# Altium PCB MB1166.PcbDoc (part 12 of 39) (continued)
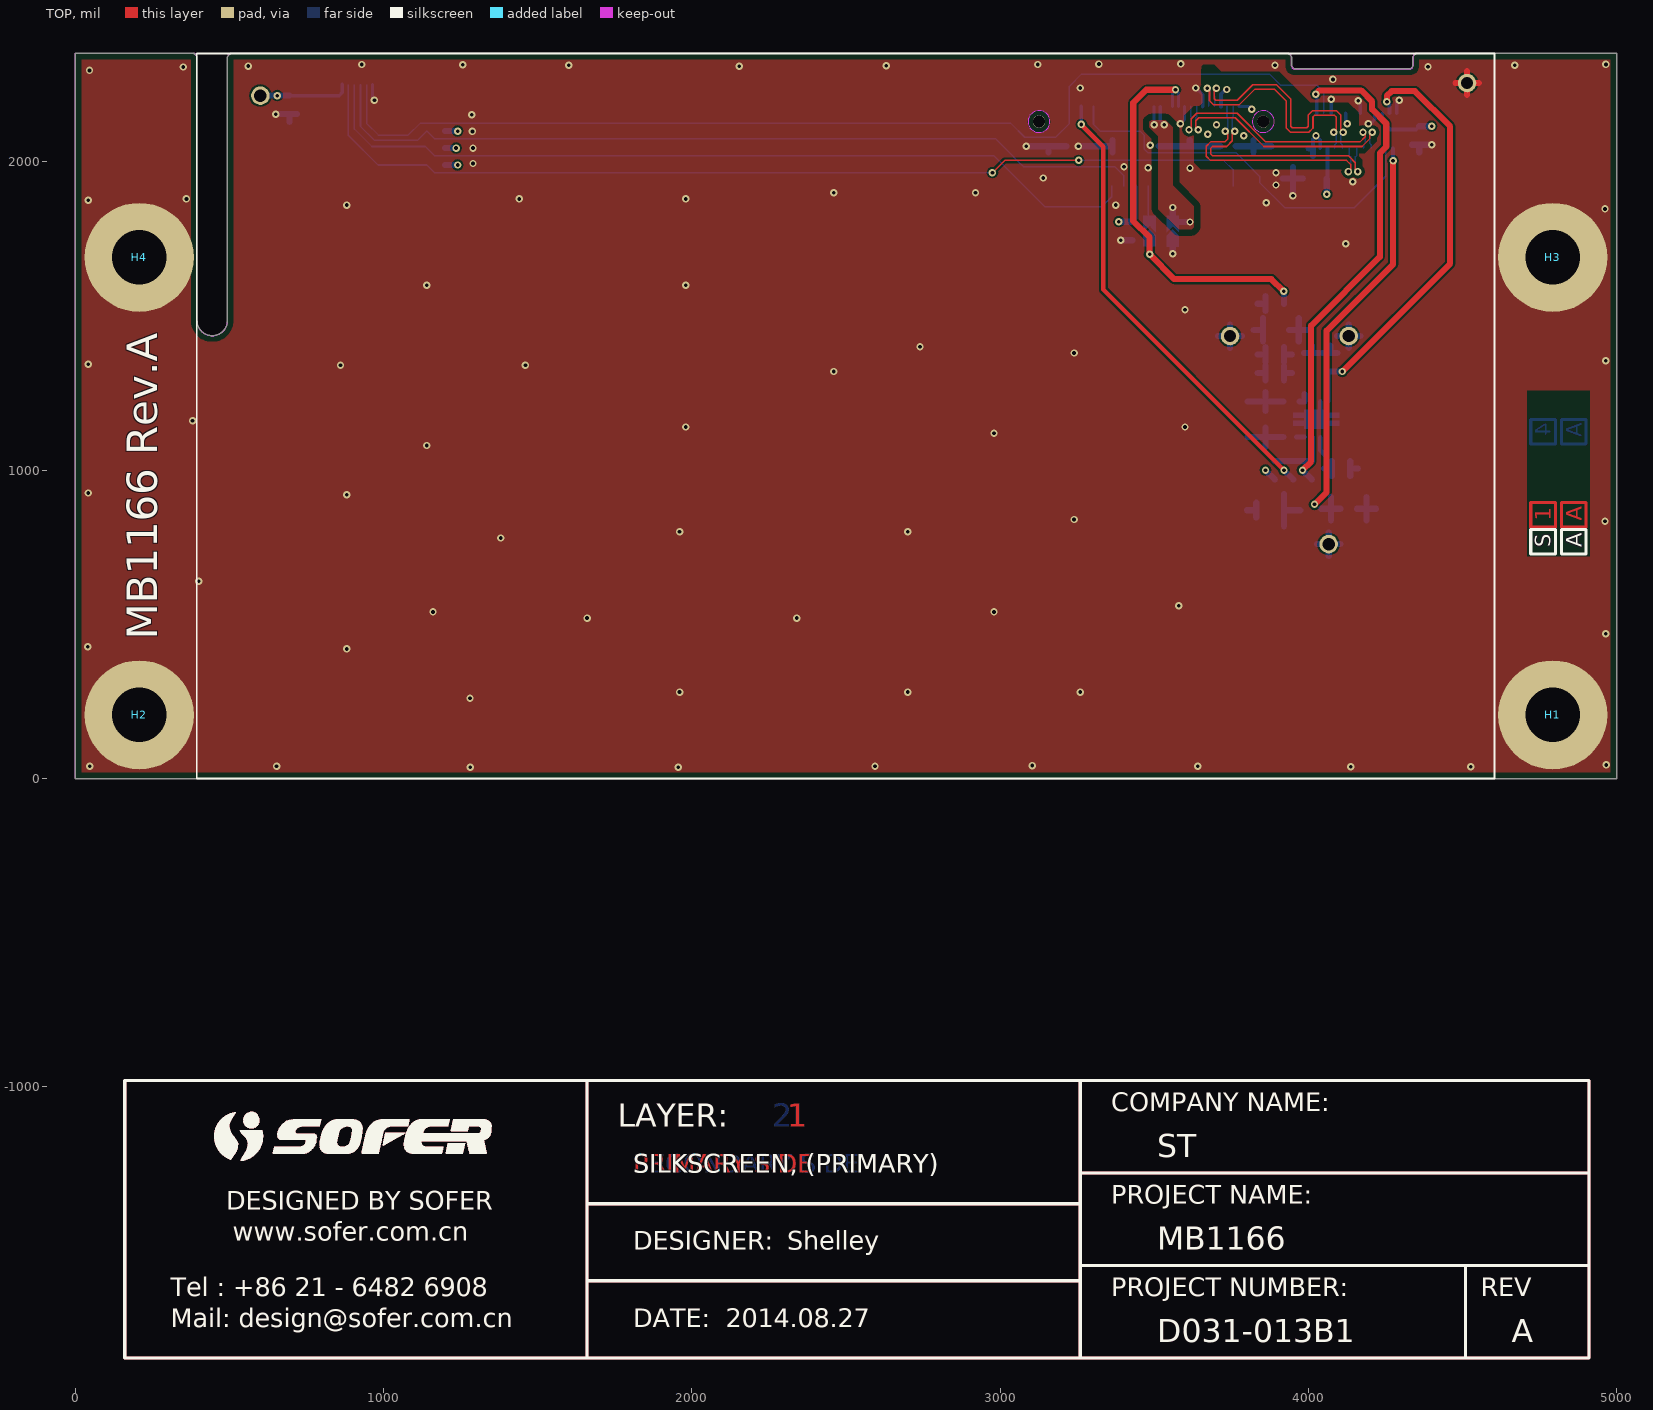
[diagram p0: TOP view]
## Nets (pads, with @x,y where several pads share a name; then routed paths per layer and width w, separated by ;. In a path a pad name is that pad's centre, name@x,y a point inside that pad or via, vN(x,y) a via of type N, cw(c..) or ccw(c..) an arc to the next point about the centre after c; other vN are vias at no path point) (continued)
 1316.45,-1146.41 ; 1316.39,-1132.62 1316.45,-1132.7 ; 1316.39,-1132.62 1316.45,-1132.7 ; 1316.45,-1146.41 1316.48,-1146.31 ; 1316.45,-1146.41 1316.48,-1146.31 ; 1316.45,-1132.7 1316.55,-1132.88 ; 1316.45,-1132.7 1316.55,-1132.88 ; 1316.48,-1146.31 1316.5,-1146.22 ; 1316.48,-1146.31 1316.5,-1146.22 ; 1316.5,-1146.22 1316.56,-1146.02 ; 1316.5,-1146.22 1316.56,-1146.02 ; 1316.56,-1146.02 1316.59,-1145.93 ; 1316.56,-1146.02 1316.59,-1145.93 ; 1316.55,-1132.88 1316.6,-1132.96 ; 1316.55,-1132.88 1316.6,-1132.96 ; 1316.59,-1145.93 1316.62,-1145.83 ; 1316.59,-1145.93 1316.62,-1145.83 ; 1316.62,-1145.83 1316.64,-1145.74 ; 1316.62,-1145.83 1316.64,-1145.74 ; 1316.6,-1132.96 1316.75,-1133.23 ; 1316.6,-1132.96 1316.75,-1133.23 ; 1316.64,-1145.74 1316.67,-1145.64 ; 1316.64,-1145.74 1316.67,-1145.64 ; 1316.67,-1145.64 1316.69,-1145.54 ; 1316.67,-1145.64 1316.69,-1145.54 ; 1316.69,-1145.54 1316.72,-1145.45 ; 1316.69,-1145.54 1316.72,-1145.45 ; 1316.72,-1145.45 1316.74,-1145.35 ; 1316.72,-1145.45 1316.74,-1145.35 ; 1316.74,-1145.35 1316.77,-1145.25 ; 1316.74,-1145.35 1316.77,-1145.25 ; 1316.77,-1145.25 1316.79,-1145.15 ; 1316.77,-1145.25 1316.79,-1145.15 ; 1316.75,-1133.23 1316.79,-1133.31 ; 1316.75,-1133.23 1316.79,-1133.31 ; 1316.79,-1145.15 1316.82,-1145.06 ; 1316.79,-1145.15 1316.82,-1145.06 ; 1316.82,-1145.06 1316.86,-1144.86 ; 1316.82,-1145.06 1316.86,-1144.86 ; 1316.79,-1133.31 1316.84,-1133.4 ; 1316.79,-1133.31 1316.84,-1133.4 ; 1316.86,-1144.86 1316.88,-1144.77 ; 1316.86,-1144.86 1316.88,-1144.77 ; 1316.84,-1133.4 1316.92,-1133.58 ; 1316.84,-1133.4 1316.92,-1133.58 ; 1316.88,-1144.77 1316.91,-1144.67 ; 1316.88,-1144.77 1316.91,-1144.67 ; 1316.91,-1144.67 1316.95,-1144.47 ; 1316.91,-1144.67 1316.95,-1144.47 ; 1316.92,-1133.58 1316.97,-1133.67 ; 1316.92,-1133.58 1316.97,-1133.67 ; 1316.95,-1144.47 1316.97,-1144.38 ; 1316.95,-1144.47 1316.97,-1144.38 ; 1316.97,-1144.38 1317.05,-1143.98 ; 1316.97,-1144.38 1317.05,-1143.98 ; 1316.95,-1133.64 1339.15,-1111.45 ; 1316.97,-1133.67 1317.01,-1133.77 ; 1316.95,-1133.64 1339.15,-1111.45 ; 1316.97,-1133.67 1317.01,-1133.77 ; 1317.01,-1133.77 1317.13,-1134.04 ; 1317.01,-1133.77 1317.13,-1134.04 ; 1317.05,-1143.98 1317.07,-1143.89 ; 1317.05,-1143.98 1317.07,-1143.89 ; 1317.07,-1143.89 1317.17,-1143.39 ; 1317.07,-1143.89 1317.17,-1143.39 ; 1317.17,-1143.39 1317.19,-1143.3 ; 1317.17,-1143.39 1317.19,-1143.3 ; 1317.16,-1134.13 1317.13,-1134.04 ; 1317.16,-1134.13 1317.2,-1134.23 ; 1317.16,-1134.13 1317.13,-1134.04 ; 1317.16,-1134.13 1317.2,-1134.23 ; 1317.19,-1143.3 1317.2,-1143.2 ; 1317.19,-1143.3 1317.2,-1143.2 ; 1317.2,-1143.2 1317.26,-1142.9 ; 1317.2,-1143.2 1317.26,-1142.9 ; 1317.2,-1134.23 1317.23,-1134.32 ; 1317.2,-1134.23 1317.23,-1134.32 ; 1317.26,-1142.9 1317.27,-1142.8 ; 1317.26,-1142.9 1317.27,-1142.8 ; 1317.27,-1142.8 1317.29,-1142.71 ; 1317.27,-1142.8 1317.29,-1142.71 ; 1317.27,-1134.42 1317.23,-1134.32 ; 1317.27,-1134.42 1317.33,-1134.6 ; 1317.27,-1134.42 1317.23,-1134.32 ; 1317.27,-1134.42 1317.33,-1134.6 ; 1317.29,-1142.71 1317.31,-1142.61 ; 1317.29,-1142.71 1317.31,-1142.61 ; 1317.31,-1142.61 1317.32,-1142.51 ; 1317.31,-1142.61 1317.32,-1142.51 ; 1317.32,-1142.51 1317.36,-1142.31 ; 1317.32,-1142.51 1317.36,-1142.31 ; 1317.36,-1142.31 1317.37,-1142.21 ; 1317.36,-1142.31 1317.37,-1142.21 ; 1317.37,-1142.21 1317.39,-1142.11 ; 1317.37,-1142.21 1317.39,-1142.11 ; 1317.36,-1134.7 1317.33,-1134.6 ; 1317.36,-1134.7 1317.39,-1134.79 ; 1317.36,-1134.7 1317.33,-1134.6 ; 1317.36,-1134.7 1317.39,-1134.79 ; 1317.39,-1142.11 1317.41,-1142.02 ; 1317.39,-1142.11 1317.41,-1142.02 ; 1317.41,-1142.02 1317.42,-1141.92 ; 1317.41,-1142.02 1317.42,-1141.92 ; 1317.42,-1141.92 1317.46,-1141.72 ; 1317.42,-1141.92 1317.46,-1141.72 ; 1317.39,-1134.79 1317.45,-1134.99 ; 1317.39,-1134.79 1317.45,-1134.99 ; 1317.46,-1141.72 1317.47,-1141.62 ; 1317.46,-1141.72 1317.47,-1141.62 ; 1317.47,-1141.62 1317.49,-1141.52 ; 1317.47,-1141.62 1317.49,-1141.52 ; 1317.45,-1134.99 1317.48,-1135.08 ; 1317.45,-1134.99 1317.48,-1135.08 ; 1317.49,-1141.52 1317.5,-1141.42 ; 1317.49,-1141.52 1317.5,-1141.42 ; 1317.5,-1141.42 1317.52,-1141.32 ; 1317.5,-1141.42 1317.52,-1141.32 ; 1317.52,-1141.32 1317.54,-1141.23 ; 1317.52,-1141.32 1317.54,-1141.23 ; 1317.51,-1135.18 1317.48,-1135.08 ; 1317.51,-1135.18 1317.53,-1135.28 ; 1317.51,-1135.18 1317.48,-1135.08 ; 1317.51,-1135.18 1317.53,-1135.28 ; 1317.54,-1141.23 1317.55,-1141.13 ; 1317.54,-1141.23 1317.55,-1141.13 ; 1317.55,-1141.13 1317.57,-1141.03 ; 1317.55,-1141.13 1317.57,-1141.03 ; 1317.57,-1141.03 1317.58,-1140.93 ; 1317.57,-1141.03 1317.58,-1140.93 ; 1317.56,-1135.37 1317.53,-1135.28 ; 1317.56,-1135.37 1317.6,-1135.57 ; 1317.56,-1135.37 1317.53,-1135.28 ; 1317.56,-1135.37 1317.6,-1135.57 ; 1317.54,-1135.3 1340.48,-1112.36 1317.54,-1135.3 ; 1317.58,-1140.93 1317.62,-1140.73 ; 1317.58,-1140.93 1317.62,-1140.73 ; 1317.62,-1140.73 1317.63,-1140.63 ; 1317.62,-1140.73 1317.63,-1140.63 ; 1317.62,-1135.66 1317.6,-1135.57 ; 1317.62,-1135.66 1317.72,-1136.16 ; 1317.62,-1135.66 1317.6,-1135.57 ; 1317.62,-1135.66 1317.72,-1136.16 ; 1317.63,-1140.63 1317.65,-1140.53 ; 1317.63,-1140.63 1317.65,-1140.53 ; 1317.65,-1140.53 1317.66,-1140.44 ; 1317.65,-1140.53 1317.66,-1140.44 ; 1317.66,-1140.44 1317.68,-1140.34 ; 1317.66,-1140.44 1317.68,-1140.34 ; 1317.68,-1140.34 1317.7,-1140.14 ; 1317.68,-1140.34 1317.7,-1140.14 ; 1317.7,-1140.14 1317.72,-1140.04 ; 1317.7,-1140.14 1317.72,-1140.04 ; 1317.72,-1140.04 1317.74,-1139.84 ; 1317.72,-1140.04 1317.74,-1139.84 ; 1317.72,-1136.16 1317.73,-1136.25 ; 1317.72,-1136.16 1317.73,-1136.25 ; 1317.74,-1139.84 1317.76,-1139.74 ; 1317.74,-1139.84 1317.76,-1139.74 ; 1317.76,-1139.74 1317.81,-1139.24 ; 1317.76,-1139.74 1317.81,-1139.24 ; 1317.76,-1136.45 1317.75,-1136.35 ; 1317.76,-1136.45 1317.78,-1136.55 ; 1317.76,-1136.45 1317.75,-1136.35 ; 1317.76,-1136.45 1317.78,-1136.55 ; 1317.75,-1136.35 1317.73,-1136.25 ; 1317.75,-1136.35 1317.73,-1136.25 ; 1317.81,-1139.24 1317.82,-1139.15 ; 1317.81,-1139.24 1317.82,-1139.15 ; 1317.82,-1139.15 1317.83,-1139.05 ; 1317.82,-1139.15 1317.83,-1139.05 ; 1317.78,-1136.55 1317.85,-1137.25 ; 1317.78,-1136.55 1317.85,-1137.25 ; 1317.83,-1139.05 1317.83,-1138.95 ; 1317.83,-1139.05 1317.83,-1138.95 ; 1317.83,-1138.95 1317.85,-1138.75 ; 1317.83,-1138.95 1317.85,-1138.75 ; 1317.85,-1138.75 1317.85,-1138.65 ; 1317.85,-1138.75 1317.85,-1138.65 ; 1317.85,-1138.65 1317.86,-1138.55 ; 1317.85,-1138.65 1317.86,-1138.55 ; 1317.86,-1138.55 1317.86,-1138.45 ; 1317.86,-1138.55 1317.86,-1138.45 ; 1317.86,-1138.45 1317.87,-1138.35 ; 1317.86,-1138.45 1317.87,-1138.35 ; 1317.87,-1138.35 1317.87,-1137.65 ; 1317.87,-1138.35 1317.87,-1137.65 ; 1317.87,-1137.65 1317.86,-1137.55 ; 1317.87,-1137.65 1317.86,-1137.55 ; 1317.86,-1137.55 1317.86,-1137.45 ; 1317.86,-1137.55 1317.86,-1137.45 ; 1317.86,-1137.45 1317.85,-1137.35 ; 1317.86,-1137.45 1317.85,-1137.35 ; 1317.85,-1137.35 1317.85,-1137.25 ; 1317.85,-1137.35 1317.85,-1137.25 ; 1317.85,-1137.24 1341.73,-1113.36 ; 1317.85,-1137.24 1341.73,-1113.36 ; 1323.71,-1170.49 1332.97,-1216.34 ; 1323.71,-1170.49 1324.12,-1170.49 ; 1323.71,-1170.49 1332.97,-1216.34 ; 1323.71,-1170.49 1324.12,-1170.49 ; 1324.12,-1170.49 1324.22,-1170.5 ; 1324.12,-1170.49 1324.22,-1170.5 ; 1324.22,-1170.5 1324.72,-1170.5 ; 1324.22,-1170.5 1324.72,-1170.5 ; 1324.72,-1170.5 1324.82,-1170.51 ; 1324.72,-1170.5 1324.82,-1170.51 ; 1324.82,-1170.51 1325.12,-1170.51 ; 1324.82,-1170.51 1325.12,-1170.51 ; 1325.12,-1170.51 1325.22,-1170.52 ; 1325.12,-1170.51 1325.22,-1170.52 ; 1325.22,-1170.52 1325.52,-1170.52 ; 1325.22,-1170.52 1325.52,-1170.52 ; 1325.52,-1170.52 1325.62,-1170.53 ; 1325.52,-1170.52 1325.62,-1170.53 ; 1325.62,-1170.53 1326.22,-1170.53 ; 1325.62,-1170.53 1326.22,-1170.53 ; 1326.22,-1170.53 1326.32,-1170.52 ; 1326.22,-1170.53 1326.32,-1170.52 ; 1326.32,-1170.52 1326.52,-1170.52 ; 1326.32,-1170.52 1326.52,-1170.52 ; 1326.52,-1170.52 1326.72,-1170.5 ; 1326.52,-1170.52 1326.72,-1170.5 ; 1326.72,-1170.5 1326.82,-1170.5 ; 1326.72,-1170.5 1326.82,-1170.5 ; 1326.82,-1170.5 1327.02,-1170.48 ; 1326.82,-1170.5 1327.02,-1170.48 ; 1327.02,-1170.48 1327.12,-1170.46 ; 1327.02,-1170.48 1327.12,-1170.46 ; 1327.12,-1170.46 1327.21,-1170.45 ; 1327.12,-1170.46 1327.21,-1170.45 ; 1327.21,-1170.45 1327.31,-1170.44 ; 1327.21,-1170.45 1327.31,-1170.44 ; 1327.3,-1170.44 1348,-1149.74 ; 1327.31,-1170.44 1327.41,-1170.42 ; 1327.3,-1170.44 1348,-1149.74 ; 1327.31,-1170.44 1327.41,-1170.42 ; 1327.41,-1170.42 1327.51,-1170.41 ; 1327.41,-1170.42 1327.51,-1170.41 ; 1327.51,-1170.41 1327.71,-1170.37 ; 1327.51,-1170.41 1327.71,-1170.37 ; 1327.71,-1170.37 1327.81,-1170.36 ; 1327.71,-1170.37 1327.81,-1170.36 ; 1327.81,-1170.36 1327.91,-1170.34 ; 1327.81,-1170.36 1327.91,-1170.34 ; 1327.91,-1170.34 1328,-1170.32 ; 1327.91,-1170.34 1328,-1170.32 ; 1328,-1170.32 1328.3,-1170.26 ; 1328,-1170.32 1328.3,-1170.26 ; 1328.3,-1170.26 1328.39,-1170.24 ; 1328.3,-1170.26 1328.39,-1170.24 ; 1328.39,-1170.24 1328.49,-1170.21 ; 1328.39,-1170.24 1328.49,-1170.21 ; 1328.39,-1106.74 1328.49,-1106.77 ; 1328.39,-1106.74 1328.49,-1106.77 ; 1328.49,-1170.21 1328.79,-1170.15 ; 1328.49,-1170.21 1328.79,-1170.15 ; 1328.49,-1106.77 1328.58,-1106.8 ; 1328.49,-1106.77 1328.58,-1106.8 ; 1328.58,-1106.8 1328.68,-1106.82 ; 1328.58,-1106.8 1328.68,-1106.82 ; 1328.68,-1106.82 1328.77,-1106.85 ; 1328.68,-1106.82 1328.77,-1106.85 ; 1328.77,-1106.85 1328.87,-1106.88 ; 1328.77,-1106.85 1328.87,-1106.88 ; 1328.79,-1170.15 1328.88,-1170.13 ; 1328.79,-1170.15 1328.88,-1170.13 ; 1328.87,-1106.88 1328.96,-1106.91 ; 1328.87,-1106.88 1328.96,-1106.91 ; 1328.88,-1170.13 1328.98,-1170.1 ; 1328.88,-1170.13 1328.98,-1170.1 ; 1328.96,-1106.91 1329.16,-1106.97 ; 1328.96,-1106.91 1329.16,-1106.97 ; 1328.98,-1170.1 1329.08,-1170.08 ; 1328.98,-1170.1 1329.08,-1170.08 ; 1329.08,-1170.08 1329.17,-1170.06 ; 1329.08,-1170.08 1329.17,-1170.06 ; 1329.17,-1170.06 1329.27,-1170.03 ; 1329.17,-1170.06 1329.27,-1170.03 ; 1329.16,-1106.97 1329.25,-1107 ; 1329.16,-1106.97 1329.25,-1107 ; 1329.27,-1170.03 1329.37,-1170.01 ; 1329.27,-1170.03 1329.37,-1170.01 ; 1329.25,-1107 1329.35,-1107.03 ; 1329.25,-1107 1329.35,-1107.03 ; 1329.37,-1170.01 1329.47,-1169.98 ; 1329.37,-1170.01 1329.47,-1169.98 ; 1329.35,-1107.03 1329.44,-1107.06 ; 1329.35,-1107.03 1329.44,-1107.06 ; 1329.47,-1169.98 1329.56,-1169.96 ; 1329.47,-1169.98 1329.56,-1169.96 ; 1329.44,-1107.06 1329.54,-1107.09 ; 1329.44,-1107.06 1329.54,-1107.09 ; 1329.56,-1169.96 1329.66,-1169.93 ; 1329.56,-1169.96 1329.66,-1169.93 ; 1329.54,-1107.09 1329.63,-1107.12 ; 1329.54,-1107.09 1329.63,-1107.12 ; 1329.66,-1169.93 1329.76,-1169.91 ; 1329.66,-1169.93 1329.76,-1169.91 ; 1329.63,-1107.12 1329.73,-1107.15 ; 1329.63,-1107.12 1329.73,-1107.15 ; 1329.76,-1169.91 1329.85,-1169.88 ; 1329.76,-1169.91 1329.85,-1169.88 ; 1329.73,-1107.15 1329.82,-1107.18 ; 1329.73,-1107.15 1329.82,-1107.18 ; 1329.82,-1107.18 1329.92,-1107.21 ; 1329.82,-1107.18 1329.92,-1107.21 ; 1329.85,-1169.88 1329.95,-1169.85 ; 1329.85,-1169.88 1329.95,-1169.85 ; 1329.92,-1107.21 1330.01,-1107.24 ; 1329.92,-1107.21 1309.34,-1127.78 1329.92,-1107.21 ; 1329.92,-1107.21 1330.01,-1107.24 ; 1329.95,-1169.85 1330.04,-1169.82 ; 1329.95,-1169.85 1330.04,-1169.82 ; 1330.01,-1107.24 1330.11,-1107.27 ; 1330.01,-1107.24 1330.11,-1107.27 ; 1330.04,-1169.82 1330.14,-1169.8 ; 1330.04,-1169.82 1330.14,-1169.8 ; 1330.11,-1107.27 1330.2,-1107.3 ; 1330.11,-1107.27 1330.2,-1107.3 ; 1330.14,-1169.8 1330.24,-1169.77 ; 1330.14,-1169.8 1330.24,-1169.77 ; 1330.2,-1107.3 1330.3,-1107.33 ; 1330.2,-1107.3 1330.3,-1107.33 ; 1330.24,-1169.77 1330.33,-1169.74 ; 1330.24,-1169.77 1330.33,-1169.74 ; 1330.3,-1107.33 1330.39,-1107.37 ; 1330.3,-1107.33 1330.39,-1107.37 ; 1330.33,-1169.74 1330.43,-1169.71 ; 1330.33,-1169.74 1330.43,-1169.71 ; 1330.39,-1107.37 1330.49,-1107.4 ; 1330.39,-1107.37 1330.49,-1107.4 ; 1330.43,-1169.71 1330.52,-1169.68 ; 1330.43,-1169.71 1330.52,-1169.68 ; 1330.52,-1169.68 1330.62,-1169.64 ; 1330.52,-1169.68 1330.62,-1169.64 ; 1330.49,-1107.4 1330.58,-1107.43 ; 1330.49,-1107.4 1330.58,-1107.43 ; 1330.62,-1169.64 1330.8,-1169.58 ; 1330.62,-1169.64 1330.8,-1169.58 ; 1330.58,-1107.43 1330.68,-1107.46 ; 1330.58,-1107.43 1330.68,-1107.46 ; 1330.68,-1107.46 1330.77,-1107.49 ; 1330.68,-1107.46 1330.77,-1107.49 ; 1330.77,-1107.49 1330.87,-1107.53 ; 1330.77,-1107.49 1330.87,-1107.53 ; 1330.8,-1169.58 1330.9,-1169.54 ; 1330.8,-1169.58 1330.9,-1169.54 ; 1330.87,-1107.53 1330.96,-1107.56 ; 1330.87,-1107.53 1330.96,-1107.56 ; 1330.9,-1169.54 1330.99,-1169.51 ; 1330.9,-1169.54 1330.99,-1169.51 ; 1330.96,-1107.56 1331.06,-1107.59 ; 1330.96,-1107.56 1331.06,-1107.59 ; 1330.99,-1169.51 1331.09,-1169.47 ; 1330.99,-1169.51 1331.09,-1169.47 ; 1331.06,-1107.59 1331.15,-1107.62 ; 1331.06,-1107.59 1331.15,-1107.62 ; 1331.09,-1169.47 1331.18,-1169.44 ; 1331.09,-1169.47 1331.18,-1169.44 ; 1331.15,-1107.62 1331.25,-1107.66 ; 1331.15,-1107.62 1331.25,-1107.66 ; 1331.18,-1169.44 1331.36,-1169.36 ; 1331.18,-1169.44 1331.36,-1169.36 ; 1331.25,-1107.66 1331.34,-1107.69 ; 1331.25,-1107.66 1331.34,-1107.69 ; 1331.36,-1169.36 1331.46,-1169.32 ; 1331.36,-1169.36 1331.46,-1169.32 ; 1331.34,-1107.69 1331.43,-1107.73 ; 1331.34,-1107.69 1331.43,-1107.73 ; 1331.46,-1169.32 1331.55,-1169.29 ; 1331.46,-1169.32 1331.55,-1169.29 ; 1331.43,-1107.73 1331.53,-1107.76 ; 1331.43,-1107.73 1331.53,-1107.76 ; 1331.55,-1169.29 1331.73,-1169.21 ; 1331.55,-1169.29 1331.73,-1169.21 ; 1331.53,-1107.76 1331.62,-1107.79 ; 1331.53,-1107.76 1331.62,-1107.79 ; 1331.62,-1107.79 1331.72,-1107.83 ; 1331.62,-1107.79 1331.72,-1107.83 ; 1331.72,-1107.83 1331.81,-1107.86 ; 1331.72,-1107.83 1331.81,-1107.86 ; 1331.73,-1169.21 1331.83,-1169.17 ; 1331.73,-1169.21 1331.83,-1169.17 ; 1331.81,-1107.86 1331.9,-1107.9 ; 1331.81,-1107.86 1331.9,-1107.9 ; 1331.83,-1169.17 1332.19,-1169.01 ; 1331.83,-1169.17 1332.19,-1169.01 ; 1331.9,-1107.9 1332,-1107.93 ; 1331.9,-1107.9 1332,-1107.93 ; 1332,-1107.93 1332.09,-1107.97 ; 1332,-1107.93 1332.09,-1107.97 ; 1332.09,-1107.97 1332.18,-1108 ; 1332.09,-1107.97 1332.18,-1108 ; 1332.19,-1169.01 1332.29,-1168.97 ; 1332.19,-1169.01 1332.29,-1168.97 ; 1332.18,-1108 1332.28,-1108.04 ; 1332.18,-1108 1332.28,-1108.04 ; 1332.29,-1168.97 1332.74,-1168.77 ; 1332.29,-1168.97 1332.74,-1168.77 ; 1332.28,-1108.04 1332.37,-1108.07 ; 1332.28,-1108.04 1332.37,-1108.07 ; 1332.37,-1108.07 1332.46,-1108.11 ; 1332.37,-1108.07 1332.46,-1108.11 ; 1332.46,-1108.11 1332.56,-1108.14 ; 1332.46,-1108.11 1332.56,-1108.14 ; 1332.56,-1108.14 1332.74,-1108.22 ; 1332.56,-1108.14 1332.74,-1108.22 ; 1332.74,-1168.77 1332.84,-1168.74 ; 1332.74,-1168.77 1332.84,-1168.74 ; 1332.74,-1108.22 1332.84,-1108.25 ; 1332.74,-1108.22 1332.84,-1108.25 ; 1332.84,-1168.74 1333.11,-1168.62 ; 1332.84,-1168.74 1333.11,-1168.62 ; 1332.84,-1108.25 1333.02,-1108.33 ; 1332.84,-1108.25 1333.02,-1108.33 ; 1333.02,-1108.33 1333.12,-1108.36 ; 1333.02,-1108.33 1333.12,-1108.36 ; 1333.11,-1168.62 1333.21,-1168.58 ; 1333.11,-1168.62 1333.21,-1168.58 ; 1333.12,-1108.36 1333.39,-1108.48 ; 1333.12,-1108.36 1333.39,-1108.48 ; 1333.21,-1168.58 1333.39,-1168.5 ; 1333.21,-1168.58 1333.39,-1168.5 ; 1333.39,-1168.5 1333.48,-1168.47 ; 1333.39,-1168.5 1333.48,-1168.47 ; 1333.39,-1108.48 1333.49,-1108.52 ; 1333.39,-1108.48 1333.49,-1108.52 ; 1333.48,-1168.47 1333.57,-1168.43 ; 1333.48,-1168.47 1333.57,-1168.43 ; 1333.49,-1108.52 1333.58,-1108.55 ; 1333.49,-1108.52 1333.58,-1108.55 ; 1333.57,-1168.43 1333.67,-1168.39 ; 1333.57,-1168.43 1333.67,-1168.39 ; 1333.58,-1108.55 1333.76,-1108.63 ; 1333.58,-1108.55 1333.76,-1108.63 ; 1333.67,-1168.39 1334.03,-1168.23 ; 1333.67,-1168.39 1334.03,-1168.23 ; 1333.76,-1108.63 1333.86,-1108.67 ; 1333.76,-1108.63 1333.86,-1108.67 ; 1333.86,-1108.67 1334.31,-1108.87 ; 1333.86,-1108.67 1334.31,-1108.87 ; 1334.03,-1168.23 1334.13,-1168.19 ; 1334.03,-1168.23 1334.13,-1168.19 ; 1334.13,-1168.19 1334.49,-1168.03 ; 1334.13,-1168.19 1334.49,-1168.03 ; 1334.31,-1108.87 1334.41,-1108.91 ; 1334.31,-1108.87 1334.41,-1108.91 ; 1334.41,-1108.91 1334.86,-1109.11 ; 1334.41,-1108.91 1334.86,-1109.11 ; 1334.49,-1168.03 1334.58,-1167.98 ; 1334.49,-1168.03 1334.58,-1167.98 ; 1334.58,-1167.98 1334.76,-1167.9 ; 1334.58,-1167.98 1334.76,-1167.9 ; 1334.76,-1167.9 1334.85,-1167.85 ; 1334.76,-1167.9 1334.85,-1167.85 ; 1334.85,-1167.85 1334.94,-1167.81 ; 1334.85,-1167.85 1334.94,-1167.81 ; 1334.86,-1109.11 1334.95,-1109.16 ; 1334.86,-1109.11 1334.95,-1109.16 ; 1334.94,-1167.81 1335.03,-1167.76 ; 1334.94,-1167.81 1335.03,-1167.76 ; 1334.95,-1109.16 1335.22,-1109.28 ; 1334.95,-1109.16 1335.22,-1109.28 ; 1335.03,-1167.76 1335.12,-1167.72 ; 1335.03,-1167.76 1335.12,-1167.72 ; 1335.12,-1167.72 1335.3,-1167.62 ; 1335.12,-1167.72 1335.3,-1167.62 ; 1335.22,-1109.28 1335.32,-1109.33 ; 1335.22,-1109.28 1335.32,-1109.33 ; 1335.3,-1167.62 1335.38,-1167.57 ; 1335.3,-1167.62 1335.38,-1167.57 ; 1335.32,-1109.33 1335.59,-1109.45 ; 1335.32,-1109.33 1335.59,-1109.45 ; 1335.38,-1167.57 1335.56,-1167.47 ; 1335.38,-1167.57 1335.56,-1167.47 ; 1335.56,-1167.47 1335.64,-1167.42 ; 1335.56,-1167.47 1335.64,-1167.42 ; 1335.59,-1109.45 1335.68,-1109.5 ; 1335.59,-1109.45 1335.68,-1109.5 ; 1335.64,-1167.42 1335.73,-1167.37 ; 1335.64,-1167.42 1335.73,-1167.37 ; 1335.68,-1109.5 1335.77,-1109.54 ; 1335.68,-1109.5 1335.77,-1109.54 ; 1335.73,-1167.37 1335.81,-1167.32 ; 1335.73,-1167.37 1335.81,-1167.32 ; 1335.77,-1109.54 1335.86,-1109.59 ; 1335.77,-1109.54 1335.86,-1109.59 ; 1335.81,-1167.32 1335.9,-1167.26 ; 1335.81,-1167.32 1335.9,-1167.26 ; 1335.86,-1109.59 1335.94,-1109.63 ; 1335.86,-1109.59 1335.94,-1109.63 ; 1335.9,-1167.26 1335.98,-1167.21 ; 1335.9,-1167.26 1335.98,-1167.21 ; 1335.94,-1109.63 1336.03,-1109.68 ; 1335.94,-1109.63 1336.03,-1109.68 ; 1335.98,-1167.21 1336.14,-1167.09 ; 1335.98,-1167.21 1336.14,-1167.09 ; 1336.03,-1109.68 1336.12,-1109.72 ; 1336.03,-1109.68 1336.12,-1109.72 ; 1336.12,-1109.72 1336.21,-1109.77 ; 1336.12,-1109.72 1336.21,-1109.77 ; 1336.14,-1167.09 1336.23,-1167.04 ; 1336.14,-1167.09 1336.23,-1167.04 ; 1336.21,-1109.77 1336.3,-1109.81 ; 1336.21,-1109.77 1336.3,-1109.81 ; 1336.23,-1167.04 1336.55,-1166.8 ; 1336.23,-1167.04 1336.55,-1166.8 ; 1336.3,-1109.81 1336.39,-1109.86 ; 1336.3,-1109.81 1315.07,-1131.03 1336.3,-1109.81 ; 1336.3,-1109.81 1336.39,-1109.86 ; 1336.39,-1109.86 1336.48,-1109.9 ; 1336.39,-1109.86 1336.48,-1109.9 ; 1336.48,-1109.9 1336.57,-1109.95 ; 1336.48,-1109.9 1336.57,-1109.95 ; 1336.55,-1166.8 1336.62,-1166.74 ; 1336.55,-1166.8 1336.62,-1166.74 ; 1336.57,-1109.95 1336.66,-1109.99 ; 1336.57,-1109.95 1336.66,-1109.99 ; 1336.62,-1166.74 1336.7,-1166.67 ; 1336.62,-1166.74 1336.7,-1166.67 ; 1336.66,-1109.99 1336.75,-1110.04 ; 1336.66,-1109.99 1336.75,-1110.04 ; 1336.7,-1166.67 1336.86,-1166.55 ; 1336.7,-1166.67 1336.86,-1166.55 ; 1336.75,-1110.04 1336.83,-1110.09 ; 1336.75,-1110.04 1336.83,-1110.09 ; 1336.86,-1166.55 1336.94,-1166.48 ; 1336.86,-1166.55 1336.94,-1166.48 ; 1336.83,-1110.09 1336.92,-1110.14 ; 1336.83,-1110.09 1336.92,-1110.14 ; 1336.92,-1110.14 1337.01,-1110.18 ; 1336.92,-1110.14 1337.01,-1110.18 ; 1336.94,-1166.48 1337.01,-1166.42 ; 1336.94,-1166.48 1337.01,-1166.42 ; 1337.01,-1166.42 1337.09,-1166.35 ; 1337.01,-1166.42 1337.09,-1166.35 ; 1337.01,-1110.18 1337.19,-1110.28 ; 1337.01,-1110.18 1337.19,-1110.28 ; 1337.09,-1166.35 1337.16,-1166.29 ; 1337.09,-1166.35 1337.16,-1166.29 ; 1337.16,-1166.29 1337.24,-1166.22 ; 1337.16,-1166.29 1337.24,-1166.22 ; 1337.19,-1110.28 1337.27,-1110.33 ; 1337.19,-1110.28 1337.27,-1110.33 ; 1337.24,-1166.22 1337.32,-1166.16 ; 1337.24,-1166.22 1337.32,-1166.16 ; 1337.27,-1110.33 1337.36,-1110.37 ; 1337.27,-1110.33 1337.36,-1110.37 ; 1337.32,-1166.16 1337.39,-1166.09 ; 1337.32,-1166.16 1337.39,-1166.09 ; 1337.36,-1110.37 1337.54,-1110.47 ; 1337.36,-1110.37 1337.54,-1110.47 ; 1337.39,-1166.09 1337.47,-1166.03 ; 1337.39,-1166.09 1337.47,-1166.03 ; 1337.47,-1166.03 1337.61,-1165.89 ; 1337.47,-1166.03 1337.61,-1165.89 ; 1337.54,-1110.47 1337.62,-1110.52 ; 1337.54,-1110.47 1337.62,-1110.52 ; 1337.61,-1165.89 1337.69,-1165.83 ; 1337.61,-1165.89 1337.69,-1165.83 ; 1337.62,-1110.52 1337.8,-1110.62 ; 1337.62,-1110.52 1337.8,-1110.62 ; 1337.69,-1165.83 1337.76,-1165.76 ; 1337.69,-1165.83 1337.76,-1165.76 ; 1337.76,-1165.76 1337.84,-1165.69 ; 1337.76,-1165.76 1337.84,-1165.69 ; 1337.8,-1110.62 1337.88,-1110.67 ; 1337.8,-1110.62 1337.88,-1110.67 ; 1337.84,-1165.69 1337.91,-1165.62 ; 1337.84,-1165.69 1337.91,-1165.62 ; 1337.91,-1165.62 1337.98,-1165.56 ; 1337.91,-1165.62 1337.98,-1165.56 ; 1337.88,-1110.67 1338.06,-1110.77 ; 1337.88,-1110.67 1338.06,-1110.77 ; 1337.98,-1165.56 1338.06,-1165.49 ; 1337.98,-1165.56 1338.06,-1165.49 ; 1338.06,-1165.49 1338.13,-1165.42 ; 1338.06,-1165.49 1338.13,-1165.42 ; 1338.06,-1110.77 1338.14,-1110.82 ; 1338.06,-1110.77 1338.14,-1110.82 ; 1338.13,-1165.42 1338.21,-1165.35 ; 1338.13,-1165.42 1338.21,-1165.35 ; 1338.14,-1110.82 1338.23,-1110.87 ; 1338.14,-1110.82 1338.23,-1110.87 ; 1338.21,-1165.35 1338.28,-1165.29 ; 1338.21,-1165.35 1338.28,-1165.29 ; 1338.23,-1110.87 1338.31,-1110.93 ; 1338.23,-1110.87 1338.31,-1110.93 ; 1338.28,-1165.29 1338.35,-1165.22 ; 1338.28,-1165.29 1338.35,-1165.22 ; 1338.31,-1110.93 1338.4,-1110.98 ; 1338.31,-1110.93 1338.4,-1110.98 ; 1338.35,-1165.22 1338.43,-1165.15 ; 1338.35,-1165.22 1338.43,-1165.15 ; 1338.4,-1110.98 1338.48,-1111.03 ; 1338.4,-1110.98 1338.48,-1111.03 ; 1338.43,-1165.15 1338.5,-1165.09 ; 1338.43,-1165.15 1338.5,-1165.09 ; 1338.5,-1165.09 1338.58,-1165.02 ; 1338.5,-1165.09 1338.58,-1165.02 ; 1338.48,-1111.03 1338.57,-1111.08 ; 1338.48,-1111.03 1338.57,-1111.08 ; 1338.57,-1111.08 1338.65,-1111.13 ; 1338.57,-1111.08 1338.65,-1111.13 ; 1338.58,-1165.02 1338.65,-1164.95 ; 1338.58,-1165.02 1338.65,-1164.95 ; 1338.65,-1164.95 1338.73,-1164.89 ; 1338.65,-1164.95 1338.73,-1164.89 ; 1338.65,-1111.13 1338.74,-1111.19 ; 1338.65,-1111.13 1338.74,-1111.19 ; 1338.73,-1164.89 1338.8,-1164.82 ; 1338.73,-1164.89 1338.8,-1164.82 ; 1338.74,-1111.19 1338.82,-1111.24 ; 1338.74,-1111.19 1338.82,-1111.24 ; 1338.8,-1164.82 1338.88,-1164.75 ; 1338.8,-1164.82 1338.88,-1164.75 ; 1338.82,-1111.24 1338.91,-1111.29 ; 1338.82,-1111.24 1338.91,-1111.29 ; 1338.88,-1164.75 1338.95,-1164.69 ; 1338.88,-1164.75 1338.95,-1164.69 ; 1338.91,-1111.29 1338.99,-1111.35 ; 1338.91,-1111.29 1338.99,-1111.35 ; 1338.95,-1164.69 1339.03,-1164.62 ; 1338.95,-1164.69 1339.03,-1164.62 ; 1338.99,-1111.35 1339.08,-1111.4 ; 1338.99,-1111.35 1339.08,-1111.4 ; 1339.03,-1164.62 1339.1,-1164.55 ; 1339.03,-1164.62 1339.1,-1164.55 ; 1339.1,-1164.55 1339.18,-1164.49 ; 1339.1,-1164.55 1339.18,-1164.49 ; 1339.08,-1111.4 1339.16,-1111.45 ; 1339.08,-1111.4 1339.16,-1111.45 ; 1339.16,-1111.45 1339.25,-1111.51 ; 1339.16,-1111.45 1339.25,-1111.51 ; 1339.18,-1164.49 1339.25,-1164.42 ; 1339.18,-1164.49 1339.25,-1164.42 ; 1339.25,-1164.42 1339.32,-1164.36 ; 1339.25,-1164.42 1339.32,-1164.36 ; 1339.25,-1111.51 1339.33,-1111.56 ; 1339.25,-1111.51 1339.33,-1111.56 ; 1339.32,-1164.36 1339.4,-1164.29 ; 1339.32,-1164.36 1339.4,-1164.29 ; 1339.33,-1111.56 1339.41,-1111.62 ; 1339.33,-1111.56 1339.41,-1111.62 ; 1339.4,-1164.29 1339.47,-1164.22 ; 1339.4,-1164.29 1339.47,-1164.22 ; 1339.41,-1111.62 1339.5,-1111.67 ; 1339.41,-1111.62 1339.5,-1111.67 ; 1339.47,-1164.22 1339.55,-1164.16 ; 1339.47,-1164.22 1339.55,-1164.16 ; 1339.5,-1111.67 1339.66,-1111.79 ; 1339.5,-1111.67 1339.66,-1111.79 ; 1339.55,-1164.16 1339.62,-1164.09 ; 1339.55,-1164.16 1339.62,-1164.09 ; 1339.62,-1164.09 1339.7,-1164.02 ; 1339.62,-1164.09 1339.7,-1164.02 ; 1339.66,-1111.79 1339.74,-1111.84 ; 1339.66,-1111.79 1339.74,-1111.84 ; 1339.7,-1164.02 1339.77,-1163.95 ; 1339.7,-1164.02 1339.77,-1163.95 ; 1339.77,-1163.95 1339.84,-1163.89 ; 1339.77,-1163.95 1339.84,-1163.89 ; 1339.74,-1111.84 1339.83,-1111.9 ; 1339.74,-1111.84 1339.83,-1111.9 ; 1339.84,-1163.89 1339.92,-1163.82 ; 1339.84,-1163.89 1339.92,-1163.82 ; 1339.83,-1111.9 1339.91,-1111.96 ; 1339.83,-1111.9 1339.91,-1111.96 ; 1339.92,-1163.82 1340.06,-1163.68 ; 1339.92,-1163.82 1340.06,-1163.68 ; 1339.91,-1111.96 1339.99,-1112.01 ; 1339.91,-1111.96 1339.99,-1112.01 ; 1339.99,-1112.01 1340.15,-1112.13 ; 1339.99,-1112.01 1340.15,-1112.13 ; 1340.06,-1163.68 1340.14,-1163.61 ; 1340.06,-1163.68 1340.14,-1163.61 ; 1340.14,-1163.61 1340.21,-1163.54 ; 1340.14,-1163.61 1340.21,-1163.54 ; 1340.15,-1112.13 1340.24,-1112.19 ; 1340.15,-1112.13 1340.24,-1112.19 ; 1340.21,-1163.54 1340.28,-1163.48 ; 1340.21,-1163.54 1340.28,-1163.48 ; 1340.24,-1112.19 1340.32,-1112.25 ; 1340.24,-1112.19 1340.32,-1112.25 ; 1340.28,-1163.48 1340.42,-1163.34 ; 1340.28,-1163.48 1340.42,-1163.34 ; 1340.32,-1112.25 1340.4,-1112.3 ; 1340.32,-1112.25 1340.4,-1112.3 ; 1340.42,-1163.34 1340.49,-1163.26 ; 1340.42,-1163.34 1340.49,-1163.26 ; 1340.4,-1112.3 1340.8,-1112.6 ; 1340.4,-1112.3 1340.8,-1112.6 ; 1340.49,-1163.26 1340.57,-1163.19 ; 1340.49,-1163.26 1340.57,-1163.19 ; 1340.57,-1163.19 1340.64,-1163.12 ; 1340.57,-1163.19 1340.64,-1163.12 ; 1340.64,-1163.12 1340.7,-1163.05 ; 1340.64,-1163.12 1340.7,-1163.05 ; 1340.7,-1163.05 1340.77,-1162.98 ; 1340.7,-1163.05 1340.77,-1162.98 ; 1340.77,-1162.98 1340.84,-1162.9 ; 1340.77,-1162.98 1340.84,-1162.9 ; 1340.8,-1112.6 1340.88,-1112.67 ; 1340.8,-1112.6 1340.88,-1112.67 ; 1340.84,-1162.9 1340.98,-1162.76 ; 1340.84,-1162.9 1340.98,-1162.76 ; 1340.88,-1112.67 1340.96,-1112.73 ; 1340.88,-1112.67 1340.96,-1112.73 ; 1340.96,-1112.73 1341.03,-1112.79 ; 1340.96,-1112.73 1341.03,-1112.79 ; 1340.98,-1162.76 1341.04,-1162.68 ; 1340.98,-1162.76 1341.04,-1162.68 ; 1341.04,-1162.68 1341.11,-1162.61 ; 1341.04,-1162.68 1341.11,-1162.61 ; 1341.03,-1112.79 1341.19,-1112.91 ; 1341.03,-1112.79 1341.19,-1112.91 ; 1341.11,-1162.61 1341.18,-1162.53 ; 1341.11,-1162.61 1341.18,-1162.53 ; 1341.18,-1162.53 1341.24,-1162.46 ; 1341.18,-1162.53 1341.24,-1162.46 ; 1341.19,-1112.91 1341.27,-1112.98 ; 1341.19,-1112.91 1341.27,-1112.98 ; 1341.24,-1162.46 1341.31,-1162.38 ; 1341.24,-1162.46 1341.31,-1162.38 ; 1341.27,-1112.98 1341.35,-1113.04 ; 1341.27,-1112.98 1341.35,-1113.04 ; 1341.31,-1162.38 1341.37,-1162.31 ; 1341.31,-1162.38 1341.37,-1162.31 ; 1341.37,-1162.31 1341.44,-1162.23 ; 1341.37,-1162.31 1341.44,-1162.23 ; 1341.35,-1113.04 1341.42,-1113.1 ; 1341.35,-1113.04 1341.42,-1113.1 ; 1341.42,-1113.1 1341.5,-1113.17 ; 1341.42,-1113.1 1341.5,-1113.17 ; 1341.44,-1162.23 1341.5,-1162.15 ; 1341.44,-1162.23 1341.5,-1162.15 ; 1341.5,-1162.15 1341.57,-1162.08 ; 1341.5,-1162.15 1341.57,-1162.08 ; 1341.5,-1113.17 1341.58,-1113.23 ; 1341.5,-1113.17 1341.58,-1113.23 ; 1341.57,-1162.08 1341.69,-1161.92 ; 1341.57,-1162.08 1341.69,-1161.92 ; 1341.58,-1113.23 1341.65,-1113.3 ; 1341.58,-1113.23 1341.65,-1113.3 ; 1341.65,-1113.3 1341.73,-1113.36 ; 1341.65,-1113.3 1341.73,-1113.36 ; 1341.69,-1161.92 1341.76,-1161.84 ; 1341.69,-1161.92 1341.76,-1161.84 ; 1341.76,-1161.84 1341.82,-1161.77 ; 1341.76,-1161.84 1341.82,-1161.77 ; 1341.73,-1113.36 1341.8,-1113.43 ; 1341.73,-1113.36 1341.8,-1113.43 ; 1341.82,-1161.77 1342,-1161.53 ; 1341.82,-1161.77 1342,-1161.53 ; 1341.8,-1113.43 1341.88,-1113.49 ; 1341.8,-1113.43 1341.88,-1113.49 ; 1341.88,-1113.49 1341.95,-1113.56 ; 1341.88,-1113.49 1341.95,-1113.56 ; 1341.95,-1113.56 1342.03,-1113.63 ; 1341.95,-1113.56 1342.03,-1113.63 ; 1342,-1161.53 1342.07,-1161.45 ; 1342,-1161.53 1342.07,-1161.45 ; 1342.07,-1161.45 1342.31,-1161.13 ; 1342.07,-1161.45 1342.31,-1161.13 ; 1342.03,-1113.63 1342.1,-1113.69 ; 1342.03,-1113.63 1342.1,-1113.69 ; 1342.1,-1113.69 1342.18,-1113.76 ; 1342.1,-1113.69 1342.18,-1113.76 ; 1342.18,-1113.76 1342.32,-1113.9 ; 1342.18,-1113.76 1342.32,-1113.9 ; 1342.31,-1161.13 1342.37,-1161.06 ; 1342.31,-1161.13 1342.37,-1161.06 ; 1342.32,-1113.9 1342.4,-1113.96 ; 1342.32,-1113.9 1342.4,-1113.96 ; 1342.37,-1161.06 1342.67,-1160.66 ; 1342.37,-1161.06 1342.67,-1160.66 ; 1342.4,-1113.96 1342.75,-1114.31 ; 1342.4,-1113.96 1342.75,-1114.31 ; 1342.67,-1160.66 1342.73,-1160.57 ; 1342.67,-1160.66 1342.73,-1160.57 ; 1342.73,-1160.57 1342.97,-1160.25 ; 1342.73,-1160.57 1342.97,-1160.25 ; 1342.75,-1114.31 1342.82,-1114.39 ; 1342.75,-1114.31 1342.82,-1114.39 ; 1342.82,-1114.39 1343.1,-1114.67